# Altium PCB Weather_Station_ETH_HERMETIC.PcbDoc (part 3 of 5) (continued)
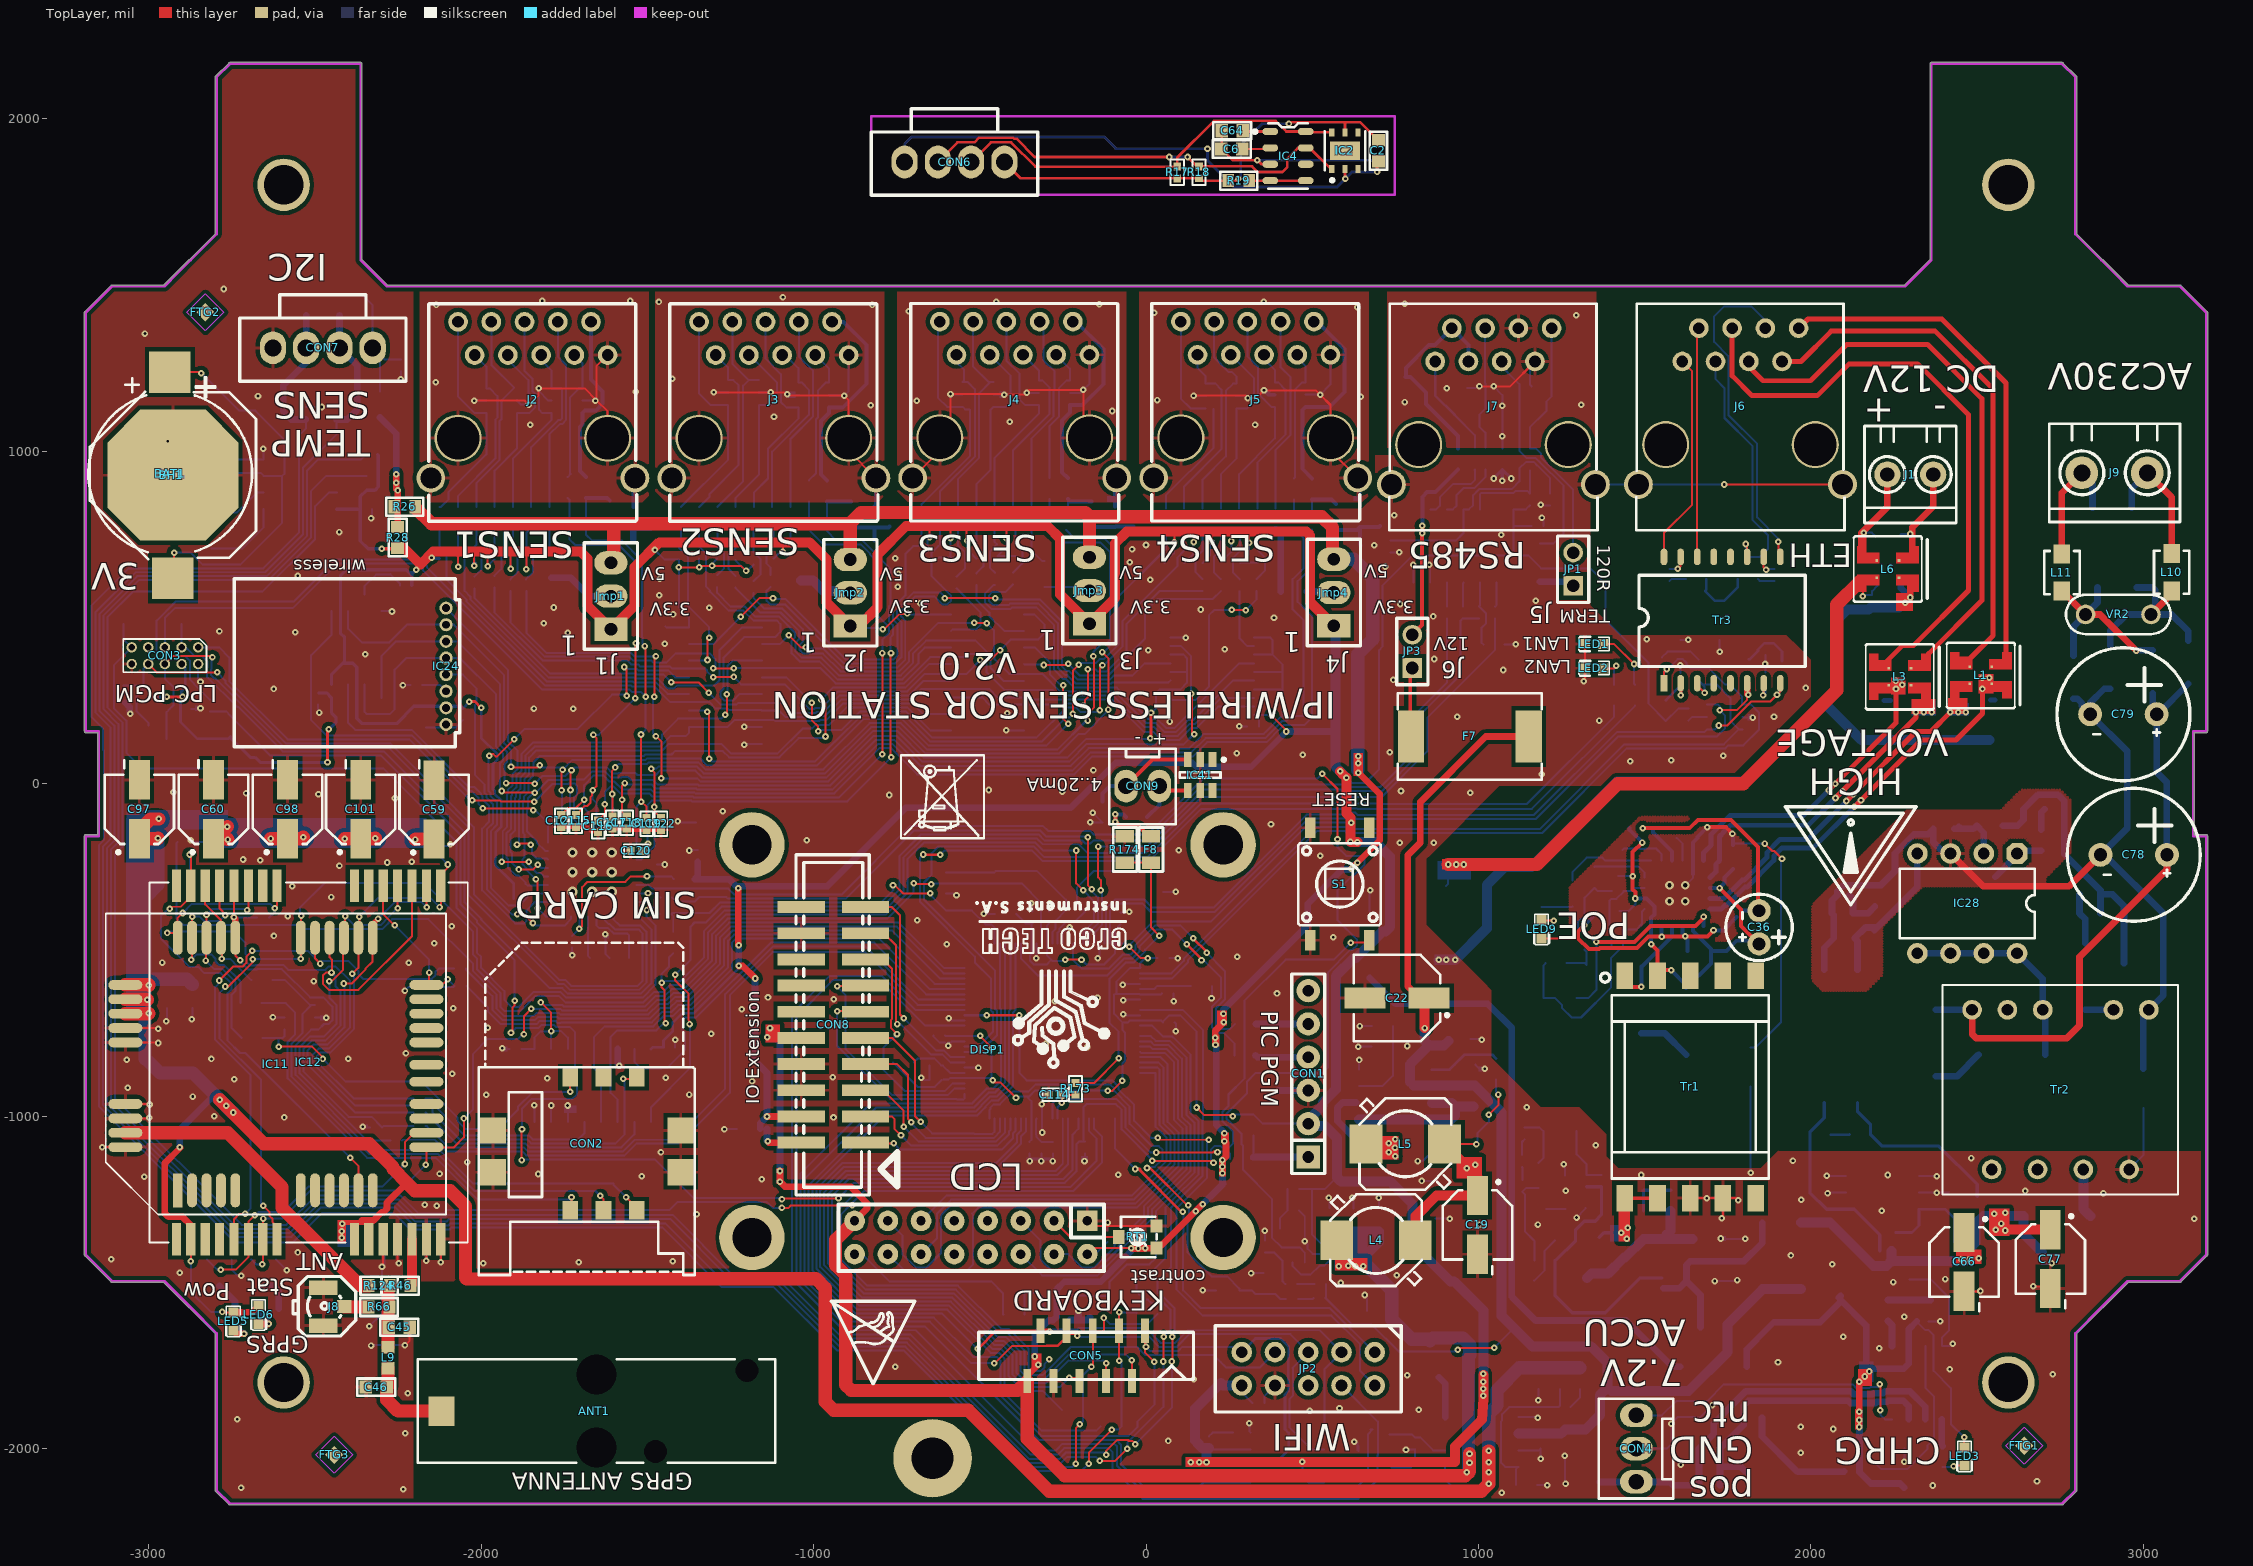
[diagram p0: TopLayer view]
## Nets (pads, with @x,y where several pads share a name; then routed paths per layer and width w, separated by ;. In a path a pad name is that pad's centre, name@x,y a point inside that pad or via, vN(x,y) a via of type N, cw(c..) or ccw(c..) an arc to the next point about the centre after c; other vN are vias at no path point) (continued)
NetCON9_1: CON9.1 FB47.1 IC41.3 | length 322.5
  TopLayer w12: CON9.1@-60,-7 19.26,72.26 IC41.3@125.6,72.26
  BottomLayer w12: FB47.1@-131,-53.5 -131,-30 -108,-7 CON9.1@-60,-7
NetCON9_2: CON9.2 FB46.1 IC41.4 | length 199.2
  TopLayer w12: CON9.2@40,-7 53.26,-20.26 IC41.4@125.6,-20.26
  BottomLayer w12: FB46.1@3.5,-100 40,-63.5 CON9.2@40,-7
NetCR2_1: CR2.1 IC14.4 | length 205.8
  BottomLayer w6: IC14.4@-1653.2,-398.87 -1653.2,-425.95 -1645,-434.16 -1617.99,-434.16 -1601.58,-450.57 -1560.43,-450.57 -1554.89,-456.11 CR2.1@-1554.89,-524
NetCR2_3: CR2.3 IC14.5 | length 127.5
  BottomLayer w6: IC14.5@-1678.8,-398.87 -1678.8,-518.2 CR2.3@-1673,-524
NetD4_A: D4.A D21.A | length 162
  BottomLayer w20: D4.A@1490,-750.39 1559.85,-750.39 D21.A@1625,-815.54
NetD4_K: D4.K IC35.18 Tr1.1 | length 266.2
  TopLayer w12: Tr1.1@1449.61,-603.39 1457.22,-611 v1(1490,-611)
  BottomLayer w12: v1(1490,-611) D4.K@1490,-549.61 1492.28,-549.61 1582.5,-459.39 IC35.18@1582.5,-428
NetD6_K: D6.K D7.K | length 156.7
  BottomLayer w20: D6.K@2375,-880.39 2439.21,-880.39 D7.K@2504.61,-815
NetD7_A: D7.A IC28.5 IC28.6 IC28.7 IC28.8 Tr2.4 | length 640.4
  BottomLayer w20: IC28.5@2320,-510 IC28.6@2420,-510 IC28.7@2520,-510 IC28.8@2620,-510 2697.4,-587.4 Tr2.4@2697.4,-680 2705.39,-687.99 D7.A@2705.39,-815
NetD8_K: D8.K L5.1 U3.2 | length 238.3
  BottomLayer w20: U3.2@632,-959 591,-959 576,-974 576,-1015 664,-1103 D8.K@674.61,-1103
  other v1: 750,-1121 730,-1109 749,-1095 730,-1082 750,-1070
NetD15_A: D15.A Tr2.9 | length 148.4
  BottomLayer w30: Tr2.9@2819.45,-1160.31 2819.45,-1279.06 D15.A@2840.39,-1300
NetD16_A: D16.A Tr2.2 | length 85.2
  BottomLayer w20: D16.A@2825,-680.39 2909.61,-680.39 Tr2.2@2910,-680
NetD16_K: D16.K R73.2 R157.2 | length 153.8
  BottomLayer w20: R157.2@2808.01,-333 2807.87,-333.13 R73.2@2807.87,-390 2825,-407.13 D16.K@2825,-479.61
NetD18_K: D18.K L13.1 Q1.3 | length 348.1
  BottomLayer w20: D18.K@1853,-1907 1853,-1963 1960,-2070 L13.1@2029.41,-2070 2098,-2070 Q1.3@2100,-2068
NetDISP1_3: DISP1.3 RT1.2 | length 206.5
  TopLayer w6: DISP1.3@-276.66,-1315.1 -228.23,-1363.54 RT1.2@-90.17,-1363.54
NetDISP1_16: DISP1.16 R132.2 R133.2 | length 560.2
  BottomLayer w6: DISP1.16@-876.66,-1415.1 -853.54,-1415.1 -770.64,-1498 -464.5,-1498 R132.2@-430.5,-1532 -430.5,-1595.5 R133.2@-429,-1597
NetF1_1: F1.1 FB10.2 | length 72.7
  BottomLayer w6: FB10.2@-1794.36,769.33 -1794.36,703.7 F1.1@-1789.36,698.7
NetF1_2: F1.2 Jmp1.2 | length 203
  BottomLayer w20: F1.2@-1789.36,619.96 -1730.96,619.96 -1675.33,564.33 Jmp1.2@-1609.36,564.33
NetF2_1: F2.1 FB20.2 | length 68.8
  BottomLayer w6: FB20.2@-1069.36,769.33 -1069.36,713.73 F2.1@-1060,704.37
NetF2_2: F2.2 Jmp2.2 | length 164.1
  BottomLayer w30: F2.2@-1038,611.63 -1000.99,611.63 -969.36,580 -895.04,580 Jmp2.2@-889.36,574.33
NetF4_1: F4.1 FB30.2 | length 127
  BottomLayer w6: FB30.2@-345,775.87 -345,702 -313.37,670.37 F4.1@-305,670.37
NetF4_2: F4.2 Jmp3.2 | length 139.5
  BottomLayer w6: F4.2@-305,591.63 -180.76,591.63 Jmp3.2@-170,580.87
NetF5_1: F5.1 FB40.2 | length 193.3
  BottomLayer w20: FB40.2@390,765 405.26,749.74 F5.1@405.26,578
NetF5_2: F5.2 Jmp4.2 | length 82.2
  BottomLayer w20: F5.2@484,578 562,578 Jmp4.2@565,575
NetF6_2: F6.2 R26.1 R28.1 | length 389.6
  TopLayer w20: v1@-2255,924 -2255,886 v1(-2251,882) R28.1@-2251,772
  BottomLayer w20: F6.2@-2304,1101.63 -2255,1052.63 v1@-2255,886
  other v1: -2255,905 -2255,931
NetF7_2: F7.2 JP3.1 | length 209.4
  TopLayer w12: F7.2@796.83,142 794.83,144 794.83,341.84 JP3.1@801,348
NetF8_1: F8.1 FB46.2 | length 205.3
  TopLayer w12: v1(-92,-92) v1(-92,-114) -78.07,-127.93 -22.07,-127.93 8.63,-158.63 F8.1@15,-158.63
  BottomLayer w12: v1(-92,-114) v1(-92,-92) -67.5,-92 FB46.2@-59.5,-100
NetFB4_1: FB4.1 IC10.1 J2.1 | length 672.7
  BottomLayer w6: FB4.1@-2124.36,832.32 -2121.04,832.32 -2097.36,856 -2097.36,877.64 -1984.44,990.56 IC10.1@-1984.44,1114.6 -2019.6,1114.6 -2069.36,1164.37 J2.1@-2069.36,1389.33
NetFB5_1: FB5.1 IC10.3 J2.2 | length 540.2
  BottomLayer w6: FB5.1@-2069.36,832.32 -2069.36,865.58 -1956.75,978.19 -1956.75,1095.12 -1951,1100.87 -1951,1166 -1974.41,1189.41 IC10.3@-1984.44,1189.41 -1984.44,1254.41 J2.2@-2019.36,1289.33
NetFB6_1: FB6.1 IC10.4 J2.3 | length 632.7
  BottomLayer w6: FB6.1@-2014.36,832.32 -2014.36,903.61 -1944.75,973.22 -1944.75,1090.15 -1939,1095.9 -1939,1152.11 -1900.55,1190.55 -1969.36,1259.36 J2.3@-1969.36,1389.33
NetFB7_1: FB7.1 IC10.6 J2.4 | length 563.5
  BottomLayer w6: FB7.1@-1959.36,832.32 -1959.36,941.64 -1891.92,1009.08 IC10.6@-1891.92,1114.6 -1854.75,1114.6 -1837.16,1132.2 -1837.16,1155.54 -1857.84,1176.22 -1857.84,1213.87 -1919.36,1275.4 J2.4@-1919.36,1289.33
NetFB8_1: FB8.1 IC9.1 J2.5 | length 657
  BottomLayer w6: FB8.1@-1904.36,832.32 -1904.36,977.58 -1787.59,1094.35 IC9.1@-1787.59,1114.6 -1815.6,1114.6 -1825.16,1124.16 -1825.16,1162.78 -1832.54,1170.16 -1834.8,1170.16 -1845.84,1181.2 -1845.84,1218.84 -1869.36,1242.37 J2.5@-1869.36,1389.33
NetFB9_1: FB9.1 IC9.3 J2.6 | length 532
  BottomLayer w6: FB9.1@-1849.36,832.32 -1849.36,1012.4 -1767.97,1093.79 -1761.23,1093.79 -1755.96,1099.07 -1755.96,1186.96 -1758.41,1189.41 IC9.3@-1787.59,1189.41 -1787.59,1242.59 J2.6@-1822.18,1277.18
NetFB10_1: FB10.1 J2.7 | length 592.4
  BottomLayer w6: FB10.1@-1794.36,832.32 -1794.36,1050.43 -1763,1081.79 -1756.26,1081.79 -1743.96,1094.09 -1743.96,1259.43 -1769.36,1284.84 J2.7@-1769.36,1389.33
NetFB11_1: FB11.1 IC9.4 J2.8 | length 403.9
  BottomLayer w6: FB11.1@-1739.36,922.32 FB11.1@-1730,931.69 ; FB11.1@-1731.96,929.73 -1731.96,1162.3 -1704.85,1189.41 IC9.4@-1695.07,1189.41 -1695.07,1265.04 J2.8@-1719.36,1289.33
NetFB11_2: FB11.2 R30.1 | length 61.6
  BottomLayer w6: FB11.2@-1739.36,859.33 -1734.36,854.33 R30.1@-1734.36,799.76
NetFB12_1: FB12.1 IC9.6 J2.9 | length 543
  BottomLayer w6: J2.9@-1669.36,1389.33 J2.9@-1665,1384.96
  BottomLayer w12: FB12.1@-1684.36,922.32 -1702.23,940.19 -1702.23,1073.65 -1695.07,1080.81 IC9.6@-1695.07,1114.6 -1687.48,1122.19 -1653.92,1122.19 -1653.92,1123.21 -1634.16,1142.96 -1634.16,1179.92 -1669.36,1215.12 J2.9@-1669.36,1389.33
NetFB12_2: FB12.2 R32.1 R175.1 | length 134.7
  BottomLayer w6: R32.1@-1684.36,799.33 FB12.2@-1684.36,859.33
  BottomLayer w12: FB12.2@-1684.36,859.33 -1620.96,859.33 R175.1@-1613,851.37
NetFB14_1: FB14.1 IC17.1 J3.1 | length 683.6
  BottomLayer w6: FB14.1@-1399.36,832.32 -1256.88,974.8 IC17.1@-1256.88,1139.33 -1310.33,1139.33 -1344.36,1173.36 J3.1@-1344.36,1389.33
NetFB15_1: FB15.1 IC17.3 J3.2 | length 544.8
  BottomLayer w6: FB15.1@-1344.36,832.32 -1313,863.69 -1313,871 -1225.25,958.75 -1225.25,1198.25 -1241.13,1214.13 IC17.3@-1256.88,1214.13 -1258,1215.25 -1258,1254 -1259.04,1254 J3.2@-1294.36,1289.33
NetFB16_1: FB16.1 IC17.4 J3.3 | length 647.2
  BottomLayer w6: FB16.1@-1289.36,832.32 -1212,909.69 -1212,1197.01 -1194.88,1214.13 ; J3.3@-1244.36,1389.33 -1244.36,1263.62 -1194.88,1214.13 ; IC17.4@-1164.36,1214.13 -1194.88,1214.13
NetFB17_1: FB17.1 IC17.6 J3.4 | length 565.4
  BottomLayer w6: FB17.1@-1234.36,832.32 -1234.36,859.64 -1164.36,929.64 IC17.6@-1164.36,1139.33 -1128.67,1139.33 -1110.16,1157.84 -1110.16,1207.1 -1192.38,1289.33 J3.4@-1194.36,1289.33
NetFB18_1: FB18.1 IC13.1 J3.5 | length 674.6
  BottomLayer w6: FB18.1@-1179.36,832.32 -1179.36,875.64 -1137,918 -1137,1007 -1045.62,1098.38 IC13.1@-1045.62,1131.93 -1081.93,1131.93 -1098.16,1148.16 -1098.16,1232.16 -1144.36,1278.36 J3.5@-1144.36,1389.33
NetFB19_1: FB19.1 IC13.3 J3.6 | length 547
  BottomLayer w6: FB19.1@-1124.36,832.32 -1124.36,998.79 -1013.99,1109.17 -1013.99,1184.87 -1035.85,1206.73 IC13.3@-1045.62,1206.73 -1045.62,1249.62 -1085.33,1289.33 J3.6@-1094.36,1289.33
NetFB20_1: FB20.1 J3.7 | length 603.3
  BottomLayer w6: FB20.1@-1069.36,832.32 -1069.36,1036.82 -1001.99,1104.2 -1001.99,1147.98 -1001,1148.97 -1001,1241.48 -1044.36,1284.84 J3.7@-1044.36,1389.33
NetFB21_1: FB21.1 IC13.4 J3.8 | length 425.2
  BottomLayer w6: FB21.1@-1014.36,912.32 -992.23,934.45 -992.23,1096.98 -986.23,1102.98 -986.23,1183.38 -962.88,1206.73 IC13.4@-953.1,1206.73 -953.1,1248.07 J3.8@-994.36,1289.33
NetFB21_2: FB21.2 R67.1 | length 56.6
  BottomLayer w6: FB21.2@-1014.36,849.33 -1014.36,799.76 R67.1@-1009.36,794.76
NetFB22_1: FB22.1 IC13.6 J3.9 | length 628.4
  BottomLayer w12: FB22.1@-959.36,912.32 -977.23,930.19 -977.23,1090.77 -953.1,1114.9 IC13.6@-953.1,1131.93 -912.18,1131.93 -840,1204.11 -840,1319 -910.33,1389.33 J3.9@-944.36,1389.33
NetFB22_2: FB22.2 R68.1 R176.1 | length 125.9
  BottomLayer w6: R68.1@-959.36,794.76 FB22.2@-959.36,849.33
  BottomLayer w12: FB22.2@-959.36,849.33 R176.1@-888,849.37 R176.1@-888,849.37
NetFB24_1: FB24.1 IC31.1 J4.1 | length 689.4
  BottomLayer w6: FB24.1@-675,838.86 -675,840.94 -529,986.94 -529,1124 -531,1126 -543.8,1126 IC31.1@-551.26,1133.46 -598.46,1133.46 -626,1161 -626,1384 J4.1@-620,1390
NetFB25_1: FB25.1 IC31.3 J4.2 | length 528.9
  BottomLayer w6: FB25.1@-620,838.86 -620,878.97 -515,983.97 -515,1187 -536.27,1208.27 IC31.3@-551.26,1208.27 -548,1211.53 -548,1246 -570,1268 J4.2@-570,1290
NetFB26_1: FB26.1 IC31.4 J4.3 | length 625.1
  BottomLayer w6: FB26.1@-565,838.86 -565,917 -502,980 -502,1174.78 IC31.4@-468.52,1208.27 ; J4.3@-520,1390 -520,1254.76 -473.5,1208.27 IC31.4@-468.52,1208.27 ; IC31.4@-458.74,1208.27 IC31.4@-468.52,1208.27
NetFB27_1: FB27.1 IC31.6 J4.4 | length 541.6
  BottomLayer w6: FB27.1@-510,838.86 -510,901 -467,944 -467,1125.2 IC31.6@-458.74,1133.46 -421.54,1133.46 -407.16,1147.84 -407.16,1227.16 J4.4@-470,1290
NetFB28_1: FB28.1 IC18.1 J4.5 | length 672.2
  BottomLayer w6: FB28.1@-455,838.86 -455,980 -321.26,1113.74 IC18.1@-321.26,1138.46 -363.46,1138.46 -381,1156 -381,1234 -420,1273 J4.5@-420,1390
NetFB29_1: FB29.1 IC18.3 J4.6 | length 535.9
  BottomLayer w6: FB29.1@-400,838.86 -400,1003 -289.62,1113.38 -289.62,1191.41 -311.48,1213.27 IC18.3@-321.26,1213.27 -321.26,1241.26 J4.6@-370,1290
NetFB30_1: FB30.1 J4.7 | length 598.8
  BottomLayer w6: FB30.1@-345,838.86 -345,1038.18 -277.62,1105.56 -277.62,1183.47 -275,1186.1 -275,1240.51 -308.53,1274.04 -308.53,1378.53 J4.7@-320,1390
NetFB31_1: FB31.1 IC18.4 J4.8 | length 419.3
  BottomLayer w6: FB31.1@-290,918.86 -290,1076.21 -261.87,1104.35 -261.87,1189.92 -238.52,1213.27 IC18.4@-228.74,1213.27 -228.74,1248.74 J4.8@-270,1290
NetFB31_2: FB31.2 R69.1 | length 54.6
  BottomLayer w6: R69.1@-290,801.3 FB31.2@-290,855.87
NetFB32_1: FB32.1 IC18.6 J4.9 | length 594.9
  BottomLayer w12: FB32.1@-235,918.86 -252.87,936.72 -252.87,1092.13 -228.74,1116.26 IC18.6@-228.74,1138.46 -191.54,1138.46 -128.47,1201.53 -128.47,1307.2 -211.27,1390 J4.9@-220,1390
NetFB32_2: FB32.2 R70.1 R177.1 | length 133
  BottomLayer w6: R70.1@-240,798.58 -235,803.58 FB32.2@-235,855.87
  BottomLayer w12: FB32.2@-235,855.87 -228.5,849.37 R177.1@-164,849.37
NetFB34_1: FB34.1 IC33.1 J5.1 | length 677.3
  BottomLayer w6: FB34.1@60,827.99 60,867 202.48,1009.48 202.48,1127.6 ; J5.1@105,1390 105,1158 134.4,1128.6 IC33.1@179.48,1128.6
NetFB35_1: FB35.1 IC33.3 J5.2 | length 555.8
  BottomLayer w6: FB35.1@115,827.99 115,894 227,1006 227,1185 208,1204 207.4,1203.4 IC33.3@179.48,1203.4 179.48,1225.52 155,1250 J5.2@155,1290
NetFB36_1: FB36.1 IC33.4 J5.3 | length 643.6
  BottomLayer w6: FB36.1@170,827.99 170,914 240.36,984.36 240.36,1181.54 262.22,1203.4 IC33.4@272,1203.4 272,1225 258,1239 248,1239 205,1282 J5.3@205,1390
NetFB37_1: FB37.1 IC33.6 J5.4 | length 564.7
  BottomLayer w6: FB37.1@225,827.99 225,931 272,978 IC33.6@272,1128.6 303.6,1128.6 328.84,1153.84 328.84,1165.54 324.16,1170.22 324.16,1220.42 273,1271.58 273,1290 J5.4@255,1290
NetFB38_1: FB38.1 IC32.1 J5.5 | length 646.4
  BottomLayer w6: FB38.1@280,827.99 280,931 387.48,1038.48 IC32.1@387.48,1132.6 377.71,1132.6 355.84,1154.46 355.84,1155.51 336.16,1175.2 336.16,1254.36 305,1285.51 J5.5@305,1390
NetFB39_1: FB39.1 IC32.3 J5.6 | length 529.1
  BottomLayer w6: FB39.1@335,827.99 335,965.97 419.12,1050.09 419.12,1185.54 397.26,1207.4 IC32.3@387.48,1207.4 387.48,1244.52 355,1277 J5.6@355,1290
NetFB40_1: FB40.1 J5.7 | length 593.1
  BottomLayer w6: FB40.1@390,827.99 390,1004 435,1049 435,1221.89 405,1251.89 J5.7@405,1390
NetFB41_1: FB41.1 IC32.4 J5.8 | length 402.6
  BottomLayer w6: FB41.1@445,917.99 448,920.99 448,1185.18 470.22,1207.4 IC32.4@480,1207.4 480,1255 455,1280 J5.8@455,1290
NetFB41_2: FB41.2 R71.1 | length 52.3
  BottomLayer w6: R71.1@445,802.72 FB41.2@445,855
NetFB42_1: FB42.1 IC32.6 J5.9 | length 621
  BottomLayer w12: FB42.1@500,917.99 500,918.35 471,947.35 471,1123.6 IC32.6@480,1132.6 551.6,1132.6 596.53,1177.53 596.53,1307.2 513.73,1390 J5.9@505,1390
NetFB42_2: FB42.2 R75.1 R178.1 | length 132.6
  BottomLayer w6: R75.1@500,800 FB42.2@500,855
  BottomLayer w12: FB42.2@500,855 558.37,855 R178.1@572,841.37
NetFB45_1: FB45.1 JP3.2 | length 591.7
  TopLayer w12: JP3.2@801,448 830.16,477.16 830.16,753 v1(831,753.84) v1(831,776)
  BottomLayer w12: v1(831,753.84) v1(831,776) 831,862.94 845.06,877 870.5,877 FB45.1@939,945.5
NetIC1_47: IC1.47 R54.1 | length 1777.8
  BottomLayer w6: R54.1@-2044.57,-608 -1979.35,-673.21 -1979.35,-684.18 -1940.37,-723.16 -1833.1,-723.16 -1823.1,-713.16 -1776.22,-713.16 -1770.28,-719.1 -1760.54,-719.1 -1759.44,-718 -1486.62,-718 -1454.78,-686.16 -1427.33,-686.16 -1407.02,-665.84 -1371.02,-665.84 -1256.84,-551.67 -1256.84,-498 -1257,-497.84 -1257,-472.16 -1238.84,-454 -1213.16,-454 -1213,-454.16 -1164.81,-454.16 -1164.49,-453.84 -784.16,-453.84 -635.91,-602.09 IC1.47@-545.69,-602.09
NetIC1_48: IC1.48 R51.1 | length 1813
  BottomLayer w6: R51.1@-2046,-556 -2046,-558.88 -1965.99,-638.9 -1965.99,-680.57 -1935.4,-711.16 -1838.07,-711.16 -1828.07,-701.16 -1771.25,-701.16 -1766.41,-706 -1491.59,-706 -1459.75,-674.16 -1432.31,-674.16 -1411.99,-653.84 -1375.99,-653.84 -1268.84,-546.69 -1268.84,-502.97 -1269,-502.81 -1269,-467.19 -1243.81,-442 -1208.19,-442 -1208.03,-442.16 -1169.78,-442.16 -1169.46,-441.84 -763.16,-441.84 -618.66,-586.34 IC1.48@-545.69,-586.34
NetIC1_49: IC1.49 Q4.1 R159.1 | length 3008
  BottomLayer w6: Q4.1@-2913,-175 -2916.84,-178.84 -2916.84,-317.87 R159.1@-2916.72,-318 -2916.84,-318.13 -2916.84,-404.16 -2896.16,-424.84 -2552.16,-424.84 -2540.16,-436.84 -2295.84,-436.84 -2279.16,-420.16 -2279.16,-418.51 -2267.8,-407.16 -2158.49,-407.16 -2024,-541.65 -2024,-563.91 -1953.99,-633.93 -1953.99,-675.6 -1930.43,-699.16 -1843.04,-699.16 -1833.04,-689.16 -1766.28,-689.16 -1761.44,-694 -1496.56,-694 -1464.72,-662.16 -1437.28,-662.16 -1416.96,-641.84 -1380.96,-641.84 -1280.84,-541.72 -1280.84,-507.94 -1281,-507.78 -1281,-462.22 -1248.78,-430 -1203.22,-430 -1203.06,-430.16 -1174.75,-430.16 -1174.43,-429.84 -749.13,-429.84 -608.38,-570.59 IC1.49@-545.69,-570.59
NetIC1_69: IC1.69 R53.1 | length 3123
  TopLayer w6: v1(-210,-201) -210,-300 v1(-189,-321)
  BottomLayer w6: R53.1@-2434,-298 -2171.35,-298 -2025,-444.35 -2025,-512.94 -2012,-525.94 -2012,-558.94 -1941.99,-628.96 -1941.99,-670.63 -1928.78,-683.84 -1882.49,-683.84 -1837.8,-639.16 -1765.37,-639.16 -1746.53,-658 -1511.47,-658 -1479.63,-626.16 -1452.19,-626.16 -1431.87,-605.84 -1395.87,-605.84 -1316.84,-526.81 -1316.84,-522.85 -1317,-522.69 -1317,-447.31 -1263.69,-394 -1189.5,-394 -1189.34,-393.84 -782.93,-393.84 -717.84,-328.75 -717.84,-227.84 -666.84,-176.84 -333.07,-176.84 -308.91,-201 v1(-210,-201) ; v1(-189,-321) -156.79,-353.21 -156.79,-415.79 -187.42,-446.42 IC1.69@-187.42,-480.04
NetIC1_80: IC1.80 R39.1 | length 158.2
  BottomLayer w6: IC1.80@-18.13,-617.84 24.02,-617.84 33.86,-608 R39.1@136,-608
NetIC4_4: IC4.4 IC4.5 R19.1 | length 169.8
  TopLayer w8: R19.1@310.5,1814 IC4.4@374,1814 IC4.5@480.3,1814
NetIC5_2: IC5.2 IC34.2 R141.2 | length 162.7
  BottomLayer w6: R141.2@1139,-1034.28 1184.28,-1034.28 IC34.2@1195,-1045 1195,-1126 IC5.2@1180,-1141
NetIC6_3: IC6.3 IC14.11 R78.1 | length 1442.9
  TopLayer w6: v1(-1266,207) -1261,212 v1(-1261,269)
  BottomLayer w6: IC14.11@-1798.87,-304.39 -1824.74,-304.39 -1827.2,-306.84 -1860.16,-306.84 R78.1@-1866,-301 -1866,-297.65 -1886.8,-276.84 -1894.8,-276.84 -1919.16,-252.49 -1919.16,-227.2 -1922.84,-223.51 -1922.84,-148.37 -1909.84,-135.37 -1909.84,-37.46 -1907.16,-34.78 -1907.16,-23.78 -1894.16,-10.78 -1894.16,23.22 -1879.16,38.22 -1879.16,88.4 -1843.4,124.16 -1466.2,124.16 -1455.16,135.2 -1455.16,147.81 -1406.97,196 -1277,196 v1(-1266,207) ; v1(-1261,269) -1261,266 -1258.84,268.16 -1258.84,354.8 -1243.65,370 IC6.3@-1155,370
NetIC6_9: IC6.9 IC8.9 IC14.14 | length 1789.5
  TopLayer w6: v1(-1892,-183) -1891,-184 -1886.13,-184 -1881.93,-179.8 -1855.2,-179.8 v1(-1851,-184)
  BottomLayer w6: v1(-1892,-183) -1885.84,-176.84 -1885.84,-47.4 -1883.16,-44.72 -1883.16,-33.72 -1869.84,-20.4 -1869.84,13.6 -1855.16,28.28 -1855.16,78.46 -1833.78,99.84 -1455.16,99.84 -1435,120 IC6.9@-1375,120 -1278,120 -1249,91 -1108,91 -1033.2,165.8 -1004.84,165.8 -993.49,177.16 -952.84,177.16 -900.16,229.84 -717.66,229.84 -647.19,159.37 IC8.9@-586.26,159.37 ; v1(-1851,-184) -1846.84,-188.16 -1846.84,-210.16 -1831.84,-225.16 -1801.33,-225.16 IC14.14@-1798.87,-227.61
NetIC6_10: IC6.10 IC8.10 IC14.13 | length 1839.2
  TopLayer w6: v1(-1887,-258) -1843,-258 v1(-1829,-244)
  BottomLayer w6: v1(-1887,-258) -1907.16,-237.84 -1907.16,-208.68 -1910.84,-205 -1910.84,-153.34 -1897.84,-140.34 -1897.84,-42.43 -1895.16,-39.75 -1895.16,-28.75 -1882.16,-15.75 -1882.16,18.25 -1867.16,33.25 -1867.16,83.43 -1838.75,111.84 -1461.54,111.84 -1429.38,144 -1383,144 -1375,152 IC6.10@-1375,170 -1259.38,170 -1238.38,191 -1118.3,191 -1116.46,189.16 -982.28,189.16 -980.44,191 -961.44,191 -910.6,241.84 -701.84,241.84 -669.37,209.37 IC8.10@-586.26,209.37 ; v1(-1829,-244) -1819.8,-253.2 IC14.13@-1798.87,-253.2
NetIC6_13: IC6.13 IC14.10 R76.1 | length 1420.2
  TopLayer w6: v1(-1976,84) -1971,89 -1963,89 -1956,82 -1952,82 v1(-1900,134) ; v1(-1569,351) -1562,344 v1(-1562,265)
  BottomLayer w6: v1(-1976,84) -1977,83 -1977,-22.44 -1972.16,-27.28 -1972.16,-36.25 -1952.16,-56.25 -1952.16,-123.94 -1970.84,-142.63 -1970.84,-312.94 -1916.97,-366.81 -1885.89,-366.81 -1866,-346.92 R76.1@-1866,-346 -1849.98,-329.98 IC14.10@-1798.87,-329.98 ; v1(-1900,134) -1869,165 -1709,165 -1606,268 -1562,268 v1(-1562,265) ; v1(-1569,351) -1562.84,344.84 -1530.34,344.84 -1525.66,340.16 -1436.16,340.16 -1416,320 IC6.13@-1375,320
NetIC7_3: IC7.3 R99.2 | length 539.3
  TopLayer w6: v1(258,523) 259,522 v1(300,522)
  BottomLayer w6: IC7.3@73,258 78.84,252.16 149.16,252.16 189,292 189,506 206,523 v1(258,523) ; v1(300,522) 333,555 R99.2@333,580.28
NetIC7_5: IC7.5 R98.2 | length 838.2
  BottomLayer w6: R98.2@-400,599.28 -422.44,576.84 -461.8,576.84 -472.84,565.8 -472.84,550.2 -459.65,537 -413.3,537 -407.93,542.37 -324.59,542.37 -265.16,482.94 -265.16,348.54 -243.46,326.84 -236.22,326.84 -210.54,301.16 -104.28,301.16 -100.94,304.5 67.5,304.5 IC7.5@73,310
NetIC7_7: IC7.7 R97.2 | length 1745.2
  TopLayer w6: v1(-605,558) v1(-454,558)
  BottomLayer w6: R97.2@-1129,592.28 -1140.84,580.44 -1140.84,550.2 -1129.65,539 -1085.7,539 -908.86,362.16 -754.22,362.16 -736.16,380.22 -736.16,485.72 -748.84,498.4 -748.84,524.78 -698.33,575.29 -618.29,575.29 -601,558 v1(-605,558) ; v1(-454,558) -450.37,554.37 -319.62,554.37 -253.16,487.91 -253.16,353.51 -238.49,338.84 -231.25,338.84 -205.57,313.16 -109.25,313.16 -97.41,325 -41,325 -4,362 IC7.7@73,362
NetIC7_9: IC7.9 R96.2 | length 2969.2
  TopLayer w6: v1(-1479,261) -1479,378 v1(-1474,383) ; v1(-1474,143) -1458,127 v1(-1458,16) ; v1(136,271) 138,269 v1@138,150
  BottomLayer w6: R96.2@-1864,579.28 -1864,454.03 -1803.81,393.84 -1549.46,393.84 -1538.78,383.16 -1474.16,383.16 v1(-1474,383) ; v1(-1479,261) -1483,261 -1483,152 v1(-1474,143) ; v1(-1458,16) -1349.53,16 -1340.53,7 -955.39,7 -818.54,143.84 -750.46,143.84 -672.98,66.37 -231.34,66.37 -177.71,120 3.35,120 5.2,118.16 113.05,118.16 142.9,148 144,148 v1(145,149) ; IC7.9@73,414 105.38,414 136,383.38 v1(136,271)
NetIC7_12: IC7.12 R95.2 | length 195.5
  BottomLayer w6: R95.2@282,579.28 281.16,578.44 281.16,437.8 304.96,414 IC7.12@325,414
NetIC7_14: IC7.14 R93.2 | length 1197.3
  BottomLayer w6: R93.2@-454,598.28 -457.33,598.28 -484.84,570.78 -484.84,545.22 -464.62,525 -408.33,525 -402.96,530.37 -329.56,530.37 -277.16,477.97 -277.16,343.57 -248.43,314.84 -241.2,314.84 -215.51,289.16 -87.8,289.16 7.51,193.84 34.43,193.84 60.11,168.16 85.89,168.16 122.57,204.84 122.84,204.84 280,362 IC7.14@325,362
NetIC7_16: IC7.16 R88.2 | length 1990.2
  TopLayer w6: v1(-517,484) -516,483 v1(-479,483)
  BottomLayer w6: R88.2@-1180.92,574.28 R88.2@-1180,574.28 -1180,558.06 -1148.94,527 -1094.41,527 -1032.16,464.75 -1032.16,427.49 -1041.84,417.8 -1041.84,402.2 -1030.8,391.16 -971.8,391.16 -918.8,338.16 -742.28,338.16 -712.16,368.28 -712.16,396.78 -625.94,483 -518,483 v1(-517,484) ; v1(-479,483) -457.84,461.84 -457.84,392.43 -455.16,389.75 -455.16,374.16 -411.37,330.37 -311.34,330.37 -257.81,276.84 -230.51,276.84 -230.2,277.16 -93.78,277.16 1.54,181.84 29.46,181.84 55.14,156.16 90.86,156.16 126.54,191.84 142.9,191.84 261.06,310 IC7.16@325,310
NetIC7_18: IC7.18 R87.2 | length 2673.1
  TopLayer w6: v1(-1302,347) v1(-1240,347)
  BottomLayer w6: R87.2@-1912,579.28 -1912,485.06 -1808.78,381.84 -1554.43,381.84 -1543.75,371.16 -1488.8,371.16 -1481.8,364.16 -1442.39,364.16 -1415.54,391 -1311.35,391 -1295,374.65 -1295,347 v1(-1302,347) ; v1(-1240,347) -1239,348 -979.56,348 -933.4,301.84 -727.69,301.84 -649.16,380.37 -546.37,380.37 -535.9,390.84 -490.2,390.84 -479.16,379.8 -479.16,335 -426.16,282 -279.94,282 -262.78,264.84 -225.54,264.84 -225.22,265.16 -98.75,265.16 -3.43,169.84 24.49,169.84 50.17,144.16 95.83,144.16 131.51,179.84 147.87,179.84 226.03,258 IC7.18@325,258
NetIC8_1: IC8.1 R114.2 | length 2044.8
  TopLayer w6: v1(-1302,320) -1301,321 v1(-1240,321) ; v1(-498,372) -468,372 v1(-439,401)
  BottomLayer w6: R114.2@-1960,590 -1960,516.09 -1813.75,369.84 -1559.4,369.84 -1548.72,359.16 -1527.69,359.16 -1520.69,352.16 -1431.19,352.16 -1425.87,346.84 -1325.84,346.84 -1320.84,341.84 -1320.84,338.84 v1(-1302,320) ; v1(-1240,321) -1218,299 -1086.65,299 -1012.8,225.16 -997.2,225.16 -995.35,227 -976.35,227 -925.51,277.84 -717.75,277.84 -665.22,330.37 -539.63,330.37 v1(-498,372) ; v1(-439,401) -406,434 -324,434 -306,452 -306,479 -336.37,509.37 IC8.1@-366.26,509.37
NetIC8_2: IC8.2 R121.2 | length 232.7
  BottomLayer w6: R121.2@-510,597.28 -510,553.41 -471,514.41 -471,504 -426.37,459.37 IC8.2@-366.26,459.37
NetIC8_4: IC8.4 R123.2 | length 763.4
  TopLayer w6: v1(-308,357) -238.68,357 -234.5,361.17 -234.33,361 v1(-234,361)
  BottomLayer w6: IC8.4@-366.26,359.37 -366.12,359.23 -314.8,359.23 -314.66,359.37 -310.37,359.37 v1(-308,357) ; v1(-234,361) -234.33,361 -198.49,325.16 -114.22,325.16 -3,436.38 -3,518 35,556 201.6,556 225,579.4 R123.2@225,580
NetIC8_5: IC8.5 R118.2 | length 1159.9
  BottomLayer w6: R118.2@-1235,590 -1160,515 -1099.38,515 -1044.16,459.78 -1044.16,434.22 -1053.84,424.54 -1053.84,397.22 -1035.78,379.16 -976.77,379.16 -923.77,326.16 -737.31,326.16 -700.16,363.31 -700.16,391.81 -661.6,430.37 -512.75,430.37 -467.16,384.78 -467.16,347.97 -428.56,309.37 IC8.5@-366.26,309.37
NetIC8_11: IC8.11 R112.2 | length 1023.4
  TopLayer w6: v1(-188,234) -183,239 -183,252 -175,260 -175,335 -174.5,335.5 -175,336 v1(-175,344)
  BottomLayer w6: IC8.11@-586.26,259.37 -492.37,259.37 -471,238 -246.9,238 -244.06,240.84 -215.6,240.84 -215.28,241.16 -195.16,241.16 v1(-188,234) ; v1(-175,344) -151.5,344 -144.66,337.16 -119.2,337.16 -59,397.35 -59,478.97 42.03,580 R112.2@170,580
NetIC8_12: IC8.12 R101.2 | length 1650
  TopLayer w6: v1(-1428,305) -1346,305 v1(-1315,274)
  BottomLayer w6: R101.2@-2020,587.28 -2020,559.12 -1791.88,331 -1591.53,331 -1590.69,331.84 -1534.31,331.84 -1530.63,328.16 -1451.16,328.16 v1(-1428,305) ; v1(-1315,274) -1278.84,237.84 -1232.16,237.84 -1227,243 -1098,243 -1068.16,213.16 -992.22,213.16 -990.38,215 -971.38,215 -920.54,265.84 -712.78,265.84 -669.25,309.37 IC8.12@-586.26,309.37
NetIC8_13: IC8.13 IC14.8 | length 2040.9
  TopLayer w6: v1(-1835,-288) -1830,-293 v1(-1830,-374) ; v1(-977,253) -964,240 v1(-964,142)
  BottomLayer w6: v1(-1835,-288) -1864,-259 -1864,-254.29 -1875.32,-242.96 -1875.32,-227.35 -1869.84,-221.87 -1869.84,-152.13 -1873.84,-148.13 -1873.84,-52.37 -1871.16,-49.69 -1871.16,-38.69 -1857.84,-25.37 -1857.84,8.63 -1843.16,23.31 -1843.16,39 -1842.84,39.32 -1842.84,63.8 -1823.29,83.36 -1510.23,83.36 -1505.75,87.84 -1427.19,87.84 -1417.19,97.84 -1272.81,97.84 -1253.97,79 -1103.03,79 -1045.03,137 -969,137 v1(-964,142) ; v1(-1830,-374) -1831,-373 -1832,-373 -1806.13,-398.87 IC14.8@-1755.57,-398.87 ; v1(-977,253) -940.16,289.84 -722.72,289.84 -653.19,359.37 IC8.13@-586.26,359.37
NetIC8_14: IC8.14 R104.2 | length 936.4
  BottomLayer w6: R104.2@-1290,592.28 -1290,574 -1248.84,532.84 -1206.22,532.84 -1176.38,503 -1104.35,503 -1056.16,454.8 -1056.16,439.2 -1065.84,429.51 -1065.84,392.25 -1040.75,367.16 -981.74,367.16 -928.43,313.84 -732.66,313.84 -685,361.5 -685,390 -665.63,409.37 IC8.14@-586.26,409.37
NetIC8_15: IC8.15 R109.2 | length 235.9
  BottomLayer w6: IC8.15@-586.26,459.37 -581.63,464 -510.35,464 -498.16,476.2 -498.16,515.44 R109.2@-570,587.28
NetIC11_39: IC11.39 R124.2 | length 959.4
  TopLayer w40: IC11.39@-3070,-1050 -2762,-1050 -2599,-1213 -2599,-1276 -2562,-1313 -2560,-1313 -2363,-1510 R124.2@-2338,-1510
NetIC12_28: IC12.28 R46.2 | length 141.7
  TopLayer w30: R46.2@-2212.01,-1510 -2207.87,-1505.87 IC12.28@-2207.87,-1370
NetIC15_2: IC15.2 R25.2 | length 74.4
  BottomLayer w6: R25.2@1050,532.72 1055,537.72 IC15.2@1055,605
NetIC15_3: IC15.3 R103.2 R150.2 | length 206.7
  BottomLayer w6: IC15.3@1005,605 1005,537 R150.2@1001,533 1001.92,533 1023,511.92 1023,483.22 1009.16,469.37 1009.16,424.35 R103.2@1015.5,418
NetIC15_4: IC15.4 R23.2 | length 72.8
  BottomLayer w6: R23.2@953,533 953,603 IC15.4@955,605
NetIC15_5: IC15.5 R37.2 | length 72
  BottomLayer w6: R37.2@905,533 IC15.5@905,605
NetIC15_9: IC15.9 L8.2 | length 219.2
  BottomLayer w6: IC15.9@855,825 873,825 884,836 884,861.7 923.3,901 977,901 989.25,913.25 L8.2@989.25,944.54 L8.2@987.79,943.07
NetIC15_10: IC15.10 L8.1 | length 197.3
  BottomLayer w6: IC15.10@905,825 923,825 934,836 934,867.97 955.03,889 988,889 1020.75,921.75 L8.1@1020.75,944.54